# Altium PCB DIOT_temperature_logger.PcbDoc (part 5 of 8)
Units mm, origin at the board's own origin, x right, y up, seen from the top; angles counter-clockwise.
Board outline 300.88 x 109 mm, 4 copper layers (TOP, MID1, MID2, BOT), stack 1.564 mm thick; 654 components, 622 nets, 3422 pads, 1095 vias.
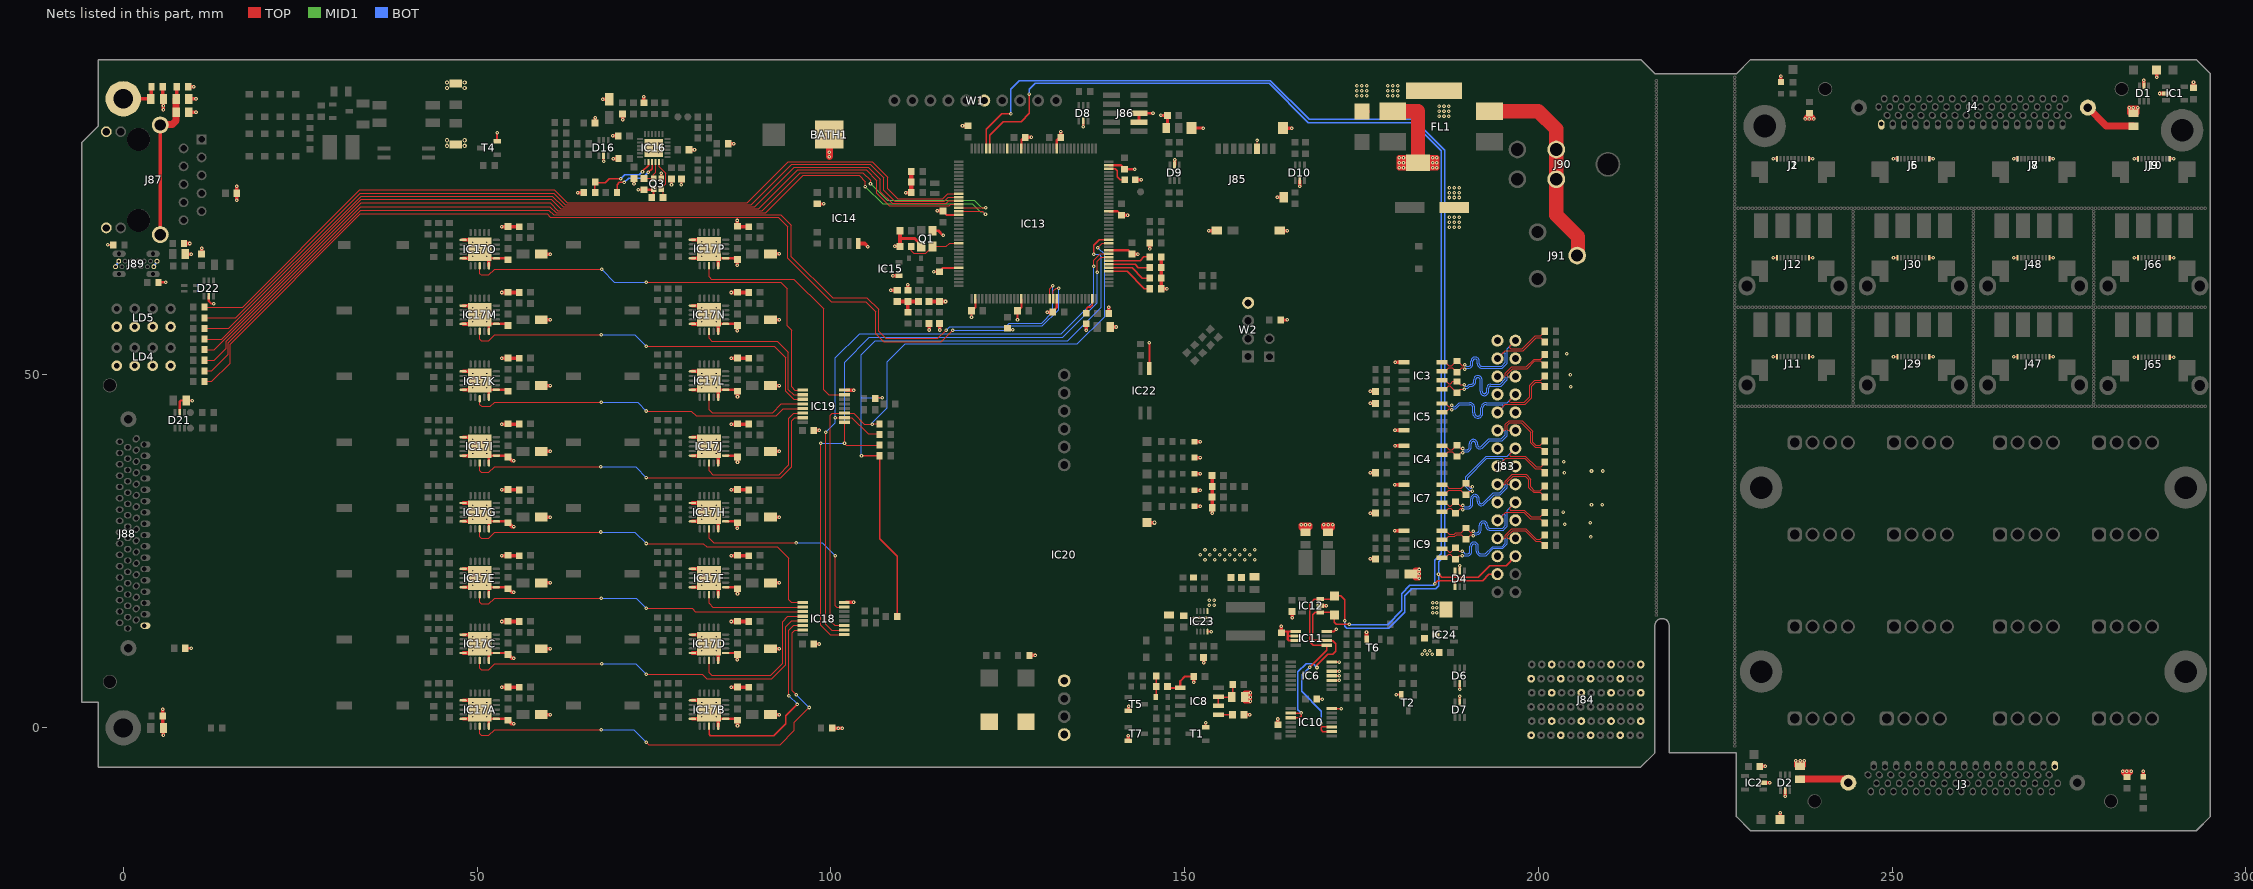
[diagram p7: the nets of this part, all layers, seen from the top]

## Via types
v1: diameter 0.5, hole 0.2, TOP to BOT, tented both sides, 913 vias
v2: diameter 0.5, hole 0.2, TOP to BOT, 98 vias
v3: diameter 0.6, hole 0.3, TOP to BOT, tented both sides, 84 vias

## Nets (pads, with @x,y where several pads share a name; then routed paths per layer and width w, separated by ;. In a path a pad name is that pad's centre, name@x,y a point inside that pad or via, vN(x,y) a via of type N, cw(c..) or ccw(c..) an arc to the next point about the centre after c; other vN are vias at no path point) (continued)
GND: BATH1.2 C5.2 C6.2 C7.1 C8.1 C9.2 C10.1 C11.1 C12.1 C13.2 C14.1 C15.1 C16.1 C17.1 C18.1 C19.1 C20.2 C21.1 C22.2 C23.2 C25.1 C26.1 C27.1 C28.1 C29.1 C30.1 C31.1 C32.1 C33.1 C34.1 C35.1 C36.1 C37.1 C38.1 C39.1 C40.1 C41.1 C42.1 C43.1 C44.1 C45.1 C46.1 C47.1 C48.1 C49.1 C50.2 C51.1 C52.1 C53.2 C54.1 C55.1 C56.1 C57.1 C58.1 C59.1 C60.2 C61.1 C63A.1 C63B.1 C63C.1 C63D.1 C63E.1 C63F.1 C63G.1 C63H.1 C63I.1 C63J.1 C63K.1 C63L.1 C63M.1 C63N.1 C63O.1 C63P.1 C64A.1 C64B.1 C64C.1 C64D.1 C64E.1 C64F.1 C64G.1 C64H.1 C64I.1 C64J.1 C64K.1 C64L.1 C64M.1 C64N.1 C64O.1 C64P.1 C65A.1 C65B.1 C65C.1 C65D.1 C65E.1 C65F.1 C65G.1 C65H.1 C65I.1 C65J.1 C65K.1 C65L.1 C65M.1 C65N.1 C65O.1 C65P.1 C66A.2 C66B.2 C66C.2 C66D.2 C66E.2 C66F.2 C66G.2 C66H.2 C66I.2 C66J.2 C66K.2 C66L.2 C66M.2 C66N.2 C66O.2 C66P.2 C67.2 C68.2 C69.1 C70.1 C71.1 C72.1 C73.1 C75.2 C76.2 C77.1 C78.1 C79.1 C80.1 C81.1 C82.1 C83.1 C84.1 C85.2 C86.1 C87.1 C88.2 C89.1 C90.2 C92.1 C93.1 D4.2 D6.2 D7.2 D8.2 D9.2 D10.2 D16.2 D21.2 D22.2 D30.2 FL1.4 IC3.5 IC4.5 IC5.4 IC6.3 IC6.4 IC6.5 IC6.7 IC7.5 IC8.1 IC9.5 IC10.7 IC11.4 IC11.5 IC11.6 IC11.7 IC12.2 IC13.16 IC13.31 IC13.38 IC13.51 IC13.61 IC13.83 IC13.94 IC13.107 IC13.120 IC13.130 IC14.4 IC15.1 IC16.25 IC17A.6 IC17A.10 IC17A.15 IC17A.16 IC17A.21 IC17B.6 IC17B.10 IC17B.15 IC17B.16 IC17B.21 IC17C.6 IC17C.10 IC17C.15 IC17C.16 IC17C.21 IC17D.6 IC17D.10 IC17D.15 IC17D.16 IC17D.21 IC17E.6 IC17E.10 IC17E.15 IC17E.16 IC17E.21 IC17F.6 IC17F.10 IC17F.15 IC17F.16 IC17F.21 IC17G.6 IC17G.10 IC17G.15 IC17G.16 IC17G.21 IC17H.6 IC17H.10 IC17H.15 IC17H.16 IC17H.21 IC17I.6 IC17I.10 IC17I.15 IC17I.16 IC17I.21 IC17J.6 IC17J.10 IC17J.15 IC17J.16 IC17J.21 IC17K.6 IC17K.10 IC17K.15 IC17K.16 IC17K.21 IC17L.6 IC17L.10 IC17L.15 IC17L.16 IC17L.21 IC17M.6 IC17M.10 IC17M.15 IC17M.16 IC17M.21 IC17N.6 IC17N.10 IC17N.15 IC17N.16 IC17N.21 IC17O.6 IC17O.10 IC17O.15 IC17O.16 IC17O.21 IC17P.6 IC17P.10 IC17P.15 IC17P.16 IC17P.21 IC18.8 IC19.8 IC20.7 IC20.10 IC22.3 IC23.3 IC23.4 IC23.11 IC24.2 J83.1 J83.4 J83.7 J83.10 J83.13 J83.16 J83.19 J83.22 J83.25 J84.A2 J84.A4 J84.A6 J84.C1 J84.C5 J84.D2 J84.D4 J84.D6 J84.F1 J84.F5 J84.G2 J84.G4 J84.G6 J84.I1 J84.I5 J84.J2 J84.J4 J84.J6 J84.L1 J84.L5 J85.6 J85.9 J85.10 J85.11 J85.13 J85.14 J86.3 J86.5 J87.L2 J87.L4 J88.1 J89.A1 J89.A12 J89.B1 J89.B12 LD4.1 LD4.3 LD4.5 LD4.7 LD5.1 LD5.3 LD5.5 LD5.7 LD6.1 LD7.1 LD8.1 LD9.1 LD10.1 Q1.2 Q1.4 Q3.2 Q3.4 R56.1 R58.1 R59.2 R60.2 R61.2 R62.2 R64.2 R65.1 R73.2 R99.1 R102.1 R104.2 R106.1 R110.1 R120.1 R121.1 R122.2 R137.1 R138.2 R140.2 R142.1 R146.1 R155.2 T1.2 T2.2 T4.2 T5.2 T6.2 T7.2 TP16.1 W1.5 W2.4 | length 405.5
  TOP w0.171: J85.6@160.23,81.85 v1(160.23,83.009)
  TOP w0.2: IC10.7@170.78,2.725 v1(172.13,2.725)
  TOP w0.3: v1(-2.17,68.25) R137.1@-1.42,68.25 ; R138.2@4.98,62.95 5.005,62.975 v1(5.98,62.975) ; D21.2@7.98,44.55 7.98,46.125 8.105,46.25 C69.1@8.88,46.25 v1(9.73,46.25) ; R122.2@8.78,11.25 v1(9.63,11.25) ; D22.2@12.08,61 12.08,60.325 12.455,59.95 v1(12.78,59.95) ; T4.2@52.83,82.9 v2(52.83,84.075) ; v1(67.886,80.092) D16.2@67.886,80.842 ; v1(72.805,76.05) C59.1@73.58,76.05 74.73,76.05 74.93,76.25 74.93,75.2 C61.1@74.68,74.95 ; Q3.4@76.03,77.65 v1(76.03,78.35) ; v1(77.48,76.75) C58.1@77.48,77.55 ; v1(78.88,76.75) C57.1@78.88,77.55 ; R102.1@85.455,82.55 R102.1@85.48,82.55 ; v1(114.555,64.45) 115.28,64.45 115.83,65 IC13.31@118.055,65 ; C44.1@115.78,73.05 116.33,72.5 IC13.16@118.055,72.5 ; v1(119.88,58.05) 119.88,58.85 120.43,59.4 IC13.38@120.43,60.625 ; R64.2@124.98,56.45 125.18,56.25 v1(125.73,56.25) ; v1(126.38,57.7) 126.38,58.85 126.93,59.4 IC13.51@126.93,60.625 ; IC13.130@126.93,81.875 126.93,83.1 C41.1@127.48,83.65 ; C42.1@131.38,58.75 131.38,58.85 131.93,59.4 IC13.61@131.93,60.625 ; IC13.120@131.93,81.875 131.93,83.1 C38.1@132.48,83.65 ; IC13.83@139.305,67.5 142.03,67.5 C46.1@142.58,66.95 ; IC13.94@139.305,73 140.53,73 C47.1@141.08,72.45 ; IC13.107@139.305,79.5 141.03,79.5 141.58,78.95 v1(142.955,78.95) ; v2(145.005,54.4) 145.015,54.39 IC22.3@145.015,50.8 ; C12.1@147.58,5.65 149.375,5.65 IC8.1@149.38,5.655 149.38,6.6 150.03,7.25 C10.1@151.28,7.25 ; T1.2@152.955,0.1 v1(152.955,0.725) ; IC23.11@153.23,13.6 v1(153.78,13.6) ; C16.1@163.855,13.625 164.565,13.625 ; IC11.7@165.68,12.325 165.67,12.335 164.74,12.335 164.565,12.511 164.565,13.04 ; IC11.6@165.68,12.975 164.63,12.975 164.565,13.04 ; IC11.5@165.68,13.625 164.565,13.625 ; C14.1@168.68,4.05 v1(169.455,4.05) ; IC11.4@170.08,13.625 171.13,13.625 v1(171.43,13.925) ; IC6.3@170.78,6.7 v1(171.83,6.7) ; IC6.4@170.78,7.35 v1(171.83,7.35) ; IC6.5@170.78,8 v1(171.83,8) ; IC6.7@170.78,9.3 v1(171.83,9.3) ; v2(179.905,4.7) T2.2@180.63,4.7 ; D7.2@188.88,3.65 v1(188.88,4.45) ; v1(188.88,5.45) D6.2@188.88,6.25 ; D4.2@188.88,22.15 v1(188.88,22.925) ; 164.565,13.04 164.565,13.625
  TOP w0.35: v1(51.38,1.575) IC17A.21@51.68,1.275 ; IC17A.15@51.68,0.225 IC17A.21@51.68,1.275 ; IC17C.15@51.68,9.525 51.68,10.575 IC17C.16@52.73,10.575 53.98,10.575 C65C.1@54.167,10.387 ; IC17E.15@51.68,18.825 51.68,19.875 IC17E.16@52.73,19.875 53.98,19.875 C65E.1@54.167,19.687 ; IC17G.15@51.68,28.125 51.68,29.175 IC17G.16@52.73,29.175 53.98,29.175 C65G.1@54.167,28.987 ; IC17I.15@51.68,37.425 51.68,38.475 IC17I.16@52.73,38.475 53.98,38.475 C65I.1@54.167,38.287 ; IC17K.15@51.68,46.725 51.68,47.775 IC17K.16@52.73,47.775 53.98,47.775 C65K.1@54.167,47.587 ; IC17M.15@51.68,56.025 51.68,57.075 IC17M.16@52.73,57.075 53.98,57.075 C65M.1@54.167,56.887 ; IC17O.21@51.68,66.35 IC17O.16@52.73,66.35 53.98,66.35 C65O.1@54.167,66.162 ; C65A.1@54.167,1.087 53.98,1.275 IC17A.16@52.73,1.275 IC17A.21@51.68,1.275 ; C65I.1@54.38,38.275 C65I.1@54.405,38.275 ; IC17B.21@84.08,1.275 IC17B.16@85.13,1.275 86.38,1.275 C65B.1@86.567,1.087 ; IC17L.21@84.08,47.775 IC17L.16@85.13,47.775 86.38,47.775 C65L.1@86.567,47.587 ; IC17N.21@84.08,57.075 IC17N.16@85.13,57.075 86.38,57.075 C65N.1@86.568,56.887 ; IC17P.21@84.08,66.375 IC17P.16@85.13,66.375 C65P.1@86.38,66.375 ; IC17D.16@85.13,10.575 86.38,10.575 C65D.1@86.567,10.387 ; IC17F.16@85.13,19.875 86.38,19.875 C65F.1@86.567,19.687 ; IC17H.16@85.13,29.175 86.38,29.175 C65H.1@86.567,28.987 ; IC17J.16@85.13,38.475 86.38,38.475 C65J.1@86.568,38.287 ; C65J.1@86.78,38.275 C65J.1@86.805,38.275
  TOP w0.4: v1(51.38,66.65) IC17O.21@51.68,66.35 ; v1(72.18,76.875) C55.1@72.18,77.65 ; C70.1@97.58,11.85 v1(98.355,11.85) ; C27.1@98.08,74.05 v1(98.98,74.05) ; 109.78,69.15 111.868,69.15 112.78,68.238 Q1.2@112.78,68.05 ; Q1.4@114.38,70.25 115.205,70.25 115.855,69.6 v1(115.88,69.6) ; v1(135.68,84.975) D8.2@135.68,85.75 ; J86.3@143.53,85.58 J86.5@143.53,86.85 v1(145.53,86.85) ; v1(146.655,86.55) C25.1@147.58,86.55 C26.1@147.58,84.95 ; J85.9@150.98,84.75 v1(152.605,84.75) ; R56.1@163.58,57.65 v1(164.48,57.65)
  TOP w0.5: C68.2@5.58,0.05 R121.1@5.58,1.65 v1(5.58,2.65) ; C67.2@5.58,89 R120.1@5.58,90.6 ; v1(5.68,-1.05) C68.2@5.68,-0.05 ; v2(5.68,87.325) v1(5.68,87.9) C67.2@5.68,88.9 ; R140.2@8.58,68.45 v1(9.405,68.45) ; C72.1@8.78,66.95 v1(9.605,66.95) ; R99.1@9.18,90.6 v1(9.98,90.6) ; C60.2@9.28,87 v1(10.28,87) ; C50.2@9.28,88.9 v1(10.28,88.9) ; C73.1@11.08,66.95 v1(11.08,67.775) ; v1(16.055,74.575) C51.1@16.055,75.55 v1(16.055,76.52) ; IC17A.10@48.03,1.275 IC17A.21@49.08,1.275 ; IC17A.6@48.03,3.875 49.38,3.875 v1(49.38,3.575) ; IC17C.10@48.03,10.575 IC17C.21@49.08,10.575 ; IC17C.6@48.03,13.175 49.38,13.175 v1(49.38,12.875) ; IC17E.10@48.03,19.875 IC17E.21@49.08,19.875 ; IC17E.6@48.03,22.475 49.38,22.475 v1(49.38,22.175) ; IC17G.10@48.03,29.175 IC17G.21@49.08,29.175 ; IC17G.6@48.03,31.775 49.38,31.775 v1(49.38,31.475) ; IC17I.10@48.03,38.475 IC17I.21@49.08,38.475 ; IC17I.6@48.03,41.075 49.38,41.075 v1(49.38,40.775) ; IC17K.10@48.03,47.775 IC17K.21@49.08,47.775 ; IC17K.6@48.03,50.375 49.38,50.375 v1(49.38,50.075) ; IC17M.10@48.03,57.075 IC17M.21@49.08,57.075 ; IC17M.6@48.03,59.675 49.38,59.675 v1(49.38,59.375) ; IC17O.10@48.03,66.35 IC17O.21@49.08,66.35 ; IC17O.6@48.03,68.95 49.38,68.95 v1(49.38,68.65) ; IC17G.21@50.38,30.475 v1(51.38,29.475) IC17G.21@51.68,29.175 ; v1(51.38,10.875) IC17C.21@51.68,10.575 ; v1(51.38,20.175) IC17E.21@51.68,19.875 ; v1(51.38,38.775) IC17I.21@51.68,38.475 ; v1(51.38,48.075) IC17K.21@51.68,47.775 ; v1(51.38,57.375) IC17M.21@51.68,57.075 ; IC17O.15@51.68,65.3 IC17O.21@51.68,66.35 ; v1(53.505,5.725) C64A.1@55.98,5.725 ; v1(53.505,15.025) C64C.1@55.98,15.025 ; v1(53.505,24.325) C64E.1@55.98,24.325 ; v1(53.505,33.625) C64G.1@55.98,33.625 ; v1(53.505,42.925) C64I.1@55.98,42.925 ; v1(53.505,52.225) C64K.1@55.98,52.225 ; v1(53.505,61.525) C64M.1@55.98,61.525 ; v1(53.505,70.8) C64O.1@55.98,70.8 ; C65A.1@54.38,1.075 54.405,1.075 54.93,0.55 v2(55.18,0.55) ; C65C.1@54.38,10.375 54.405,10.375 54.93,9.85 v2(55.18,9.85) ; C65E.1@54.38,19.675 54.405,19.675 54.93,19.15 v2(55.18,19.15) ; C65G.1@54.38,28.975 54.405,28.975 54.93,28.45 v2(55.18,28.45) ; C65I.1@54.405,38.275 54.93,37.75 v2(55.18,37.75) ; C66A.2@59.08,1.875 v2(60.33,1.875) ; C66C.2@59.08,11.175 v2(60.33,11.175) ; C66G.2@59.08,29.775 v2@60.305,29.775 ; C66I.2@59.08,39.075 v2(60.33,39.075) ; C66K.2@59.08,48.375 v2(60.33,48.375) ; C66M.2@59.08,57.675 v2(60.33,57.675) ; C66O.2@59.08,66.95 v2(60.33,66.95) ; C66E.2@59.09,20.475 v2(60.33,20.475) ; v1(64.205,75.65) R106.1@65.13,75.65 ; C92.1@66.68,85.45 v1(66.68,86.25) ; v1(67.755,88.85) C53.2@68.68,88.85 ; v1(69.205,83.65) C54.1@69.955,83.65 ; v1(69.255,80.45) R104.2@69.98,80.45 ; v1(70.58,85.925) C52.1@70.58,86.75 ; R110.1@73.58,88.35 v1(73.58,89.175) ; C56.1@80.03,81.7 v1(80.73,81.7) ; IC17B.10@80.43,1.275 IC17B.21@81.48,1.275 ; IC17B.6@80.43,3.875 81.78,3.875 v1(81.78,3.575) ; IC17D.10@80.43,10.575 IC17D.21@81.48,10.575 ; IC17D.6@80.43,13.175 81.78,13.175 v1(81.78,12.875) ; IC17F.10@80.43,19.875 IC17F.21@81.48,19.875 ; IC17F.6@80.43,22.475 81.78,22.475 v1(81.78,22.175) ; IC17H.10@80.43,29.175 IC17H.21@81.48,29.175 ; IC17H.6@80.43,31.775 81.78,31.775 v1(81.78,31.475) ; IC17J.10@80.43,38.475 IC17J.21@81.48,38.475 ; IC17J.6@80.43,41.075 81.78,41.075 v1(81.78,40.775) ; IC17L.10@80.43,47.775 IC17L.21@81.48,47.775 ; IC17L.6@80.43,50.375 81.78,50.375 v1(81.78,50.075) ; IC17N.10@80.43,57.075 IC17N.21@81.48,57.075 ; IC17N.6@80.43,59.675 81.78,59.675 v1(81.78,59.375) ; IC17P.10@80.43,66.375 IC17P.21@81.48,66.375 ; IC17P.6@80.43,68.975 81.78,68.975 v1(81.78,68.675) ; v1(82.78,49.075) v1(83.78,48.075) 84.08,47.775 IC17L.15@84.08,46.725 ; v1(83.78,1.575) 84.08,1.275 IC17B.15@84.08,0.225 ; v1(83.78,57.375) 84.08,57.075 IC17N.15@84.08,56.025 ; v1(83.78,66.675) 84.08,66.375 IC17P.15@84.08,65.325 ; IC17D.15@84.08,9.525 IC17D.21@84.08,10.575 ; IC17F.15@84.08,18.825 IC17F.21@84.08,19.875 ; IC17H.15@84.08,28.125 IC17H.21@84.08,29.175 ; IC17J.15@84.08,37.425 IC17J.21@84.08,38.475 ; R102.1@85.48,82.55 v1(86.28,82.55) ; v1(85.905,5.725) C64B.1@88.38,5.725 ; v1(85.905,15.025) C64D.1@88.38,15.025 ; v1(85.905,24.325) C64F.1@88.38,24.325 ; v1(85.905,33.625) C64H.1@88.38,33.625 ; v1(85.905,42.925) C64J.1@88.38,42.925 ; v1(85.905,52.225) C64L.1@88.38,52.225 ; v1(85.905,61.525) C64N.1@88.38,61.525 ; C65P.1@86.38,66.375 C65P.1@86.567,66.187 ; v1(86.755,9.625) 86.755,10.325 C65D.1@86.805,10.375 ; v1(86.78,28.225) 86.78,28.95 C65H.1@86.805,28.975 ; C65L.1@86.78,47.575 86.805,47.575 v1(86.805,46.8) ; v1(86.78,56.1) 86.78,56.85 86.805,56.875 C65N.1@86.78,56.875 ; v1(86.78,65.4) 86.78,66.15 86.805,66.175 C65P.1@86.78,66.175 ; v1(86.78,71.7) C63P.1@86.78,70.875 86.78,70.825 C64P.1@88.38,70.825 ; v1(86.805,0.275) C65B.1@86.805,1.075 ; v1(86.805,18.925) C65F.1@86.805,19.675 ; v1(86.805,37.525) C65J.1@86.805,38.275 ; C66B.2@91.48,1.875 v2(92.705,1.875) ; C66D.2@91.48,11.175 v2(92.705,11.175) ; C66F.2@91.48,20.475 v2(92.705,20.475) ; C66H.2@91.48,29.775 v2(92.705,29.775) ; C66J.2@91.48,39.075 v2(92.705,39.075) ; C66L.2@91.48,48.375 v2(92.705,48.375) ; C66N.2@91.48,57.675 v2(92.705,57.675) ; C66P.2@91.48,66.975 v2(92.705,66.975) ; C71.1@97.58,42.05 v1(98.355,42.05) ; R73.2@100.2,-0.05 v1(101.07,-0.05) v2(101.6,-0.05) ; IC18.8@102.155,17.725 v1(103.205,17.725) ; IC19.8@102.18,47.725 v1(103.23,47.725) ; IC14.4@103.885,68.45 104.78,68.45 v1(105.23,68) ; v1(108.48,61.85) C36.1@109.38,61.85 ; v1(108.78,63.9) IC15.1@109.63,63.9 ; v1(109.03,68.05) C20.2@109.78,68.05 ; v1(110.605,75.65) C22.2@111.38,75.65 ; C34.1@110.88,61.85 v1(110.88,62.625) ; v1(113.88,56.225) C28.1@113.88,57.15 ; C35.1@113.88,60.25 v1(116.205,60.25) ; v1(115.055,73.05) C44.1@115.78,73.05 ; v1(115.38,56.225) C29.1@115.38,57.15 ; v1(118.605,85.075) C37.1@119.405,85.075 ; C41.1@127.48,83.65 127.68,83.45 v1(128.355,83.45) ; R146.1@128.055,10.225 v1(128.88,10.225) ; v1(130.605,58.75) C42.1@131.38,58.75 ; C38.1@132.48,83.65 v1(132.48,84.275) ; v1(136.08,56.2) C30.1@136.08,57.1 ; C43.1@139.28,58.55 v1(139.28,59.425) ; C49.1@139.48,56.65 v1(140.355,56.65) ; C47.1@141.08,72.45 141.105,72.425 v1(141.93,72.425) ; T7.2@142.03,-1.8 v2(142.03,-1.125) ; T5.2@142.13,2.4 v2(142.13,3.025) ; C46.1@142.58,66.95 v1(143.405,66.95) ; C31.1@143.03,77.45 v1(143.855,77.45) ; TP16.1@144.68,29 v3(145.73,29) ; v1(145.08,67.675) R142.1@145.08,68.55 ; R59.2@146.68,62.05 v1(147.505,62.05) ; R59.2@146.68,62.25 R60.2@146.68,63.55 ; R60.2@146.68,63.75 R61.2@146.68,65.05 ; R61.2@146.68,65.25 R62.2@146.68,66.55 ; D9.2@148.58,79.55 v1(148.58,80.3) ; v1(151.28,6.425) C10.1@151.28,7.25 ; LD7.1@151.405,31.3 v1(152.18,31.3) ; LD10.1@151.405,33.6 v1(152.18,33.6) ; LD9.1@151.405,35.9 v1(152.18,35.9) ; LD8.1@151.405,38.2 v1(152.18,38.2) ; LD6.1@151.405,40.45 v1(152.18,40.45) ; v1(152.68,9.2) C79.1@152.68,9.95 ; v1(153.38,70.275) J85.11@154.53,70.275 ; v1(153.88,30.325) R58.1@153.88,31.1 C18.1@153.88,32.6 R65.1@153.88,34.1 C21.1@153.88,35.65 ; C11.1@158.38,1.85 v1(159.205,1.85) ; v1(163.088,75) J85.14@164.005,75 ; C15.1@163.18,0.45 v1(163.18,1.25) ; J85.13@163.43,70.275 v1(164.48,70.275) ; C16.1@163.68,13.45 v1(163.68,14.35) ; J85.10@163.88,84.75 v1(165.13,84.75) ; v1(165.18,15.55) C17.1@165.18,16.45 ; v1(166.28,76.55) D10.2@166.28,77.325 ; IC12.2@169.18,17.25 v1(170.03,17.25) ; v2(175.705,13.525) 175.705,12.525 T6.2@175.73,12.5 ; v1(176.23,23.875) C6.2@176.98,23.875 ; v1(176.23,30.325) C9.2@176.98,30.325 ; v1(176.23,36.05) C5.2@176.98,36.05 ; v1(176.23,45.85) C7.1@176.98,45.85 ; v1(176.23,47.55) C13.2@176.98,47.55 ; v1(179.705,27.85) 179.71,27.855 IC9.5@180.98,27.855 ; v1(179.705,34.35) 179.71,34.355 IC7.5@180.98,34.355 ; v1@179.73,39.85 v1(179.735,39.855) IC4.5@180.98,39.855 ; v1(179.73,42.05) 179.735,42.045 IC5.4@180.98,42.045 ; v1@179.785,51.655 v1(179.78,51.65) 180.975,51.65 IC3.5@180.98,51.655
  TOP w0.6: C20.2@109.78,68.05 109.78,69.15 C19.1@109.78,70.25 C19.1@109.78,70.3 ; C22.2@111.38,75.55 C22.2@111.38,75.65 111.38,76.95 C32.1@111.38,78.35 ; C8.1@158.48,3.75 159.255,3.75 v1@159.255,4.35 ; C8.1@158.48,4.35 v1@159.255,4.35 ; C8.1@158.48,4.95 159.255,4.95 v1@159.255,4.35 ; C85.2@181.98,21.75 182.605,21.125 v1(183.13,21.125) v1(183.13,21.75) v1(183.13,22.375) 182.605,22.375 C85.2@181.98,21.75
  TOP w0.7: C83.1@167.08,27.65 v1(167.08,28.7) ; C83.1@167.08,27.65 167.705,28.275 v1(167.705,28.7) v1(167.08,28.7) ; C83.1@167.08,27.65 166.455,28.275 v1(166.455,28.7) v1(167.08,28.7) ; C84.1@170.28,27.65 170.905,28.275 v1(170.905,28.7) v1(170.28,28.7) ; C84.1@170.28,27.65 169.655,28.275 v1(169.655,28.7) v1(170.28,28.7) ; C84.1@170.28,27.65 v1(170.28,28.7)
  TOP w0.8: v1(185.655,80.55) v1(185.655,79.85) ; v1@185.655,80.55 183.005,80.55 v1(180.355,80.55) v1(180.355,79.85) ; v1(180.355,79.85) v1(185.655,79.85) ; v1(180.355,79.85) v1(180.355,79.15) 185.655,79.15 v1(185.655,79.85)
  TOP w1: v1(99.78,80.725) v2(99.78,81.355) BATH1.2@99.78,83.85
  TOP w2: D30.2@175.055,87.1 D30.2@175.105,87.15 ; FL1.4@179.405,87.15 183.005,87.15 183.005,80.55 FL1.4@183.005,79.85
  BOT w0.3: J89.B12@-1.09,65.17 J89.A1@-0.64,65.95 ; J89.B1@4.31,65.17 J89.A12@4.76,65.95
  other v1: 49.38,1.575 81.78,1.575 50.38,2.575 82.78,2.575 51.38,3.575 83.78,3.575 159.305,3.75 159.305,4.35 159.305,4.95 183.58,10.4 184.28,10.4 184.98,10.4 49.38,10.875 81.78,10.875 83.78,10.875 183.93,10.9 184.63,10.9 50.38,11.875 82.78,11.875 51.38,12.875 83.78,12.875 185.08,16.25 185.63,16.25 185.08,16.95 185.63,16.95 153.455,17.35 154.155,17.35 185.08,17.65 185.63,17.65 153.455,18.05 154.155,18.05 49.38,20.175 81.78,20.175 83.78,20.175 50.38,21.175 82.78,21.175 51.38,22.175 83.78,22.175 152.88,23.75 154.28,23.75 155.68,23.75 157.08,23.75 158.48,23.75 159.88,23.75 152.18,24.45 153.58,24.45 154.98,24.45 156.38,24.45 157.78,24.45 159.18,24.45 152.88,25.15 154.28,25.15 155.68,25.15 157.08,25.15 158.48,25.15 159.88,25.15 207.405,26.975 203.705,28.8 207.33,28.975 49.38,29.475 81.78,29.475 83.78,29.475 82.78,30.475 203.48,30.5 51.38,31.475 83.78,31.475 207.5,31.5 209.05,31.5 203.68,36.025 207.5,36.3 209.1,36.3 203.58,37.6 49.38,38.775 81.78,38.775 83.78,38.775 50.38,39.775 82.78,39.775 51.38,40.775 83.78,40.775 49.38,48.075 81.78,48.075 204.58,48.175 50.38,49.075 204.53,49.9 51.38,50.075 83.78,50.075 204.005,52.875 49.38,57.375 81.78,57.375 50.38,58.375 82.78,58.375 51.38,59.375 83.78,59.375 49.38,66.65 81.78,66.675 50.38,67.65 82.78,67.675 51.38,68.65 83.78,68.675 187.43,70.75 188.13,70.75 188.83,70.75 187.43,71.45 188.13,71.45 188.83,71.45 187.43,72.15 188.13,72.15 188.83,72.15 187.43,74.95 188.13,74.95 188.83,74.95 187.43,75.65 188.13,75.65 188.83,75.65 187.43,76.35 188.13,76.35 188.83,76.35 180.93,79.15 185.08,79.15 185.655,79.15 180.93,79.85 185.08,79.85 180.93,80.55 185.08,80.55 74.28,81.25 75.68,81.25 74.98,81.95 74.28,82.65 75.68,82.65 185.955,86.45 186.655,86.45 187.355,86.45 185.955,87.15 186.655,87.15 187.355,87.15 185.955,87.85 186.655,87.85 187.355,87.85 174.355,89.325 175.055,89.325 175.755,89.325 178.705,89.325 179.405,89.325 180.105,89.325 174.355,90.025 175.055,90.025 175.755,90.025 178.705,90.025 179.405,90.025 180.105,90.025 174.355,90.725 175.055,90.725 175.755,90.725 178.705,90.725 179.405,90.725 180.105,90.725
  other v2: 60.33,29.775
  other v3: 45.74,82.25 48.25,82.25 45.74,83.05 48.25,83.05 45.74,90.44 48.25,90.44 45.74,91.2 48.25,91.2
GND1: C1.1 C4.1 D2.2 IC2.2 J3.1 LD2.1 R2.2 TP7.1 | length 10.7
  TOP w0.5: C4.1@231.28,-5.45 v1(232.08,-5.45) ; IC2.2@231.78,-7.75 v1(232.68,-7.75) ; TP7.1@234.174,-12.944 v1(234.174,-12.02) ; v1(234.88,-9.65) D2.2@234.88,-8.85 ; C1.1@236.38,-5.45 v1(236.38,-4.65) ; C1.1@236.98,-5.45 v1(236.98,-4.65) ; C1.1@237.58,-5.45 v1(237.58,-4.65) ; LD2.1@285.48,-6.925 v1(285.48,-6.125) ; R2.2@283.155,-6.95 v1(283.155,-6.15) ; R2.2@283.155,-6.95 283.755,-6.35 v1(283.755,-6.15) v1(283.155,-6.15) ; R2.2@283.155,-6.95 282.555,-6.35 v1(282.555,-6.15) v1(283.155,-6.15)
GND2: C2.1 C3.1 D1.2 IC1.2 J1.1 J1.10 J2.1 J2.10 J4.1 J5.1 J5.10 J6.1 J6.10 J7.1 J7.10 J8.1 J8.10 J9.1 J9.10 J10.1 J10.10 LD1.1 R3.2 TP4.1 | length 20.8
  TOP w0.3: v1@233.181,80.45 J1.1@233.73,80.45 ; J1.10@238.23,80.45 v1@238.779,80.45 ; v1(250.18,80.45) J5.1@250.73,80.45 ; J5.10@255.23,80.45 v1@255.779,80.45 ; v1(267.18,80.45) J7.1@267.73,80.45 ; J7.10@272.23,80.45 v1@272.779,80.45 ; v1(284.18,80.45) J9.1@284.73,80.45 ; J9.10@289.23,80.45 v1@289.779,80.45
  TOP w0.5: LD1.1@234.28,91.275 v1(234.28,92.075) ; D1.2@285.58,90.75 v1(285.58,91.55) ; v1(287.386,91.92) TP4.1@287.386,92.95 ; v1(287.78,89.65) IC1.2@288.68,89.65 ; C3.1@292.58,90.45 v1(292.58,91.25) ; v1(238.305,86.05) v1(238.905,86.05) 238.905,86.25 R3.2@238.305,86.85 ; v1(238.305,86.05) v1(237.705,86.05) 237.705,86.25 R3.2@238.305,86.85 ; v1(238.305,86.05) R3.2@238.305,86.85
  TOP w0.6: C2.1@283.48,86.85 v1(283.48,87.65) v1(284.08,87.65) ; C2.1@284.08,86.85 v1(284.08,87.65) ; C2.1@284.68,86.85 v1(284.68,87.65) v1(284.08,87.65)
  BOT w0.3: v1@233.181,80.45 J2.10@233.73,80.45 ; J2.1@238.23,80.451 v1(238.78,80.451) ; v1(250.18,80.45) J6.10@250.73,80.45 ; J6.1@255.23,80.451 v1(255.779,80.451) ; v1(267.18,80.45) J8.10@267.73,80.45 ; J8.1@272.23,80.451 v1(272.779,80.451) ; v1(284.18,80.45) J10.10@284.73,80.45 ; J10.1@289.23,80.451 v1(289.779,80.451)
  other v1: 233.181,80.45
GND3: J11.1 J11.10 | length 1.1
  TOP w0.2: v1@233.181,52.45 J11.1@233.73,52.45 ; J11.10@238.23,52.45 v1(238.78,52.45)
  other v1: 233.181,52.45
GND4: J12.1 J12.10 | length 1.1
  TOP w0.2: v1@233.181,66.45 J12.1@233.73,66.45 ; J12.10@238.23,66.45 v1(238.78,66.451)
  other v1: 233.181,66.45
GND5: J29.1 J29.10 | length 1.1
  TOP w0.2: v1@250.181,52.45 J29.1@250.73,52.45 ; J29.10@255.23,52.45 v1(255.78,52.45)
  other v1: 250.181,52.45
GND6: J30.1 J30.10 | length 1.1
  TOP w0.2: v1@250.181,66.45 J30.1@250.73,66.45 ; J30.10@255.23,66.45 v1(255.78,66.451)
  other v1: 250.181,66.45
GND7: J47.1 J47.10 | length 1.1
  TOP w0.2: v1(267.181,52.45) J47.1@267.73,52.45 ; J47.10@272.23,52.45 v1@272.779,52.45
  other v1: 272.78,52.45
GND8: J48.1 J48.10 | length 1.1
  TOP w0.2: v1@267.181,66.45 J48.1@267.73,66.45 ; J48.10@272.23,66.45 v1@272.779,66.45